# KiCad board BMS-Master.kicad_pcb (continued)
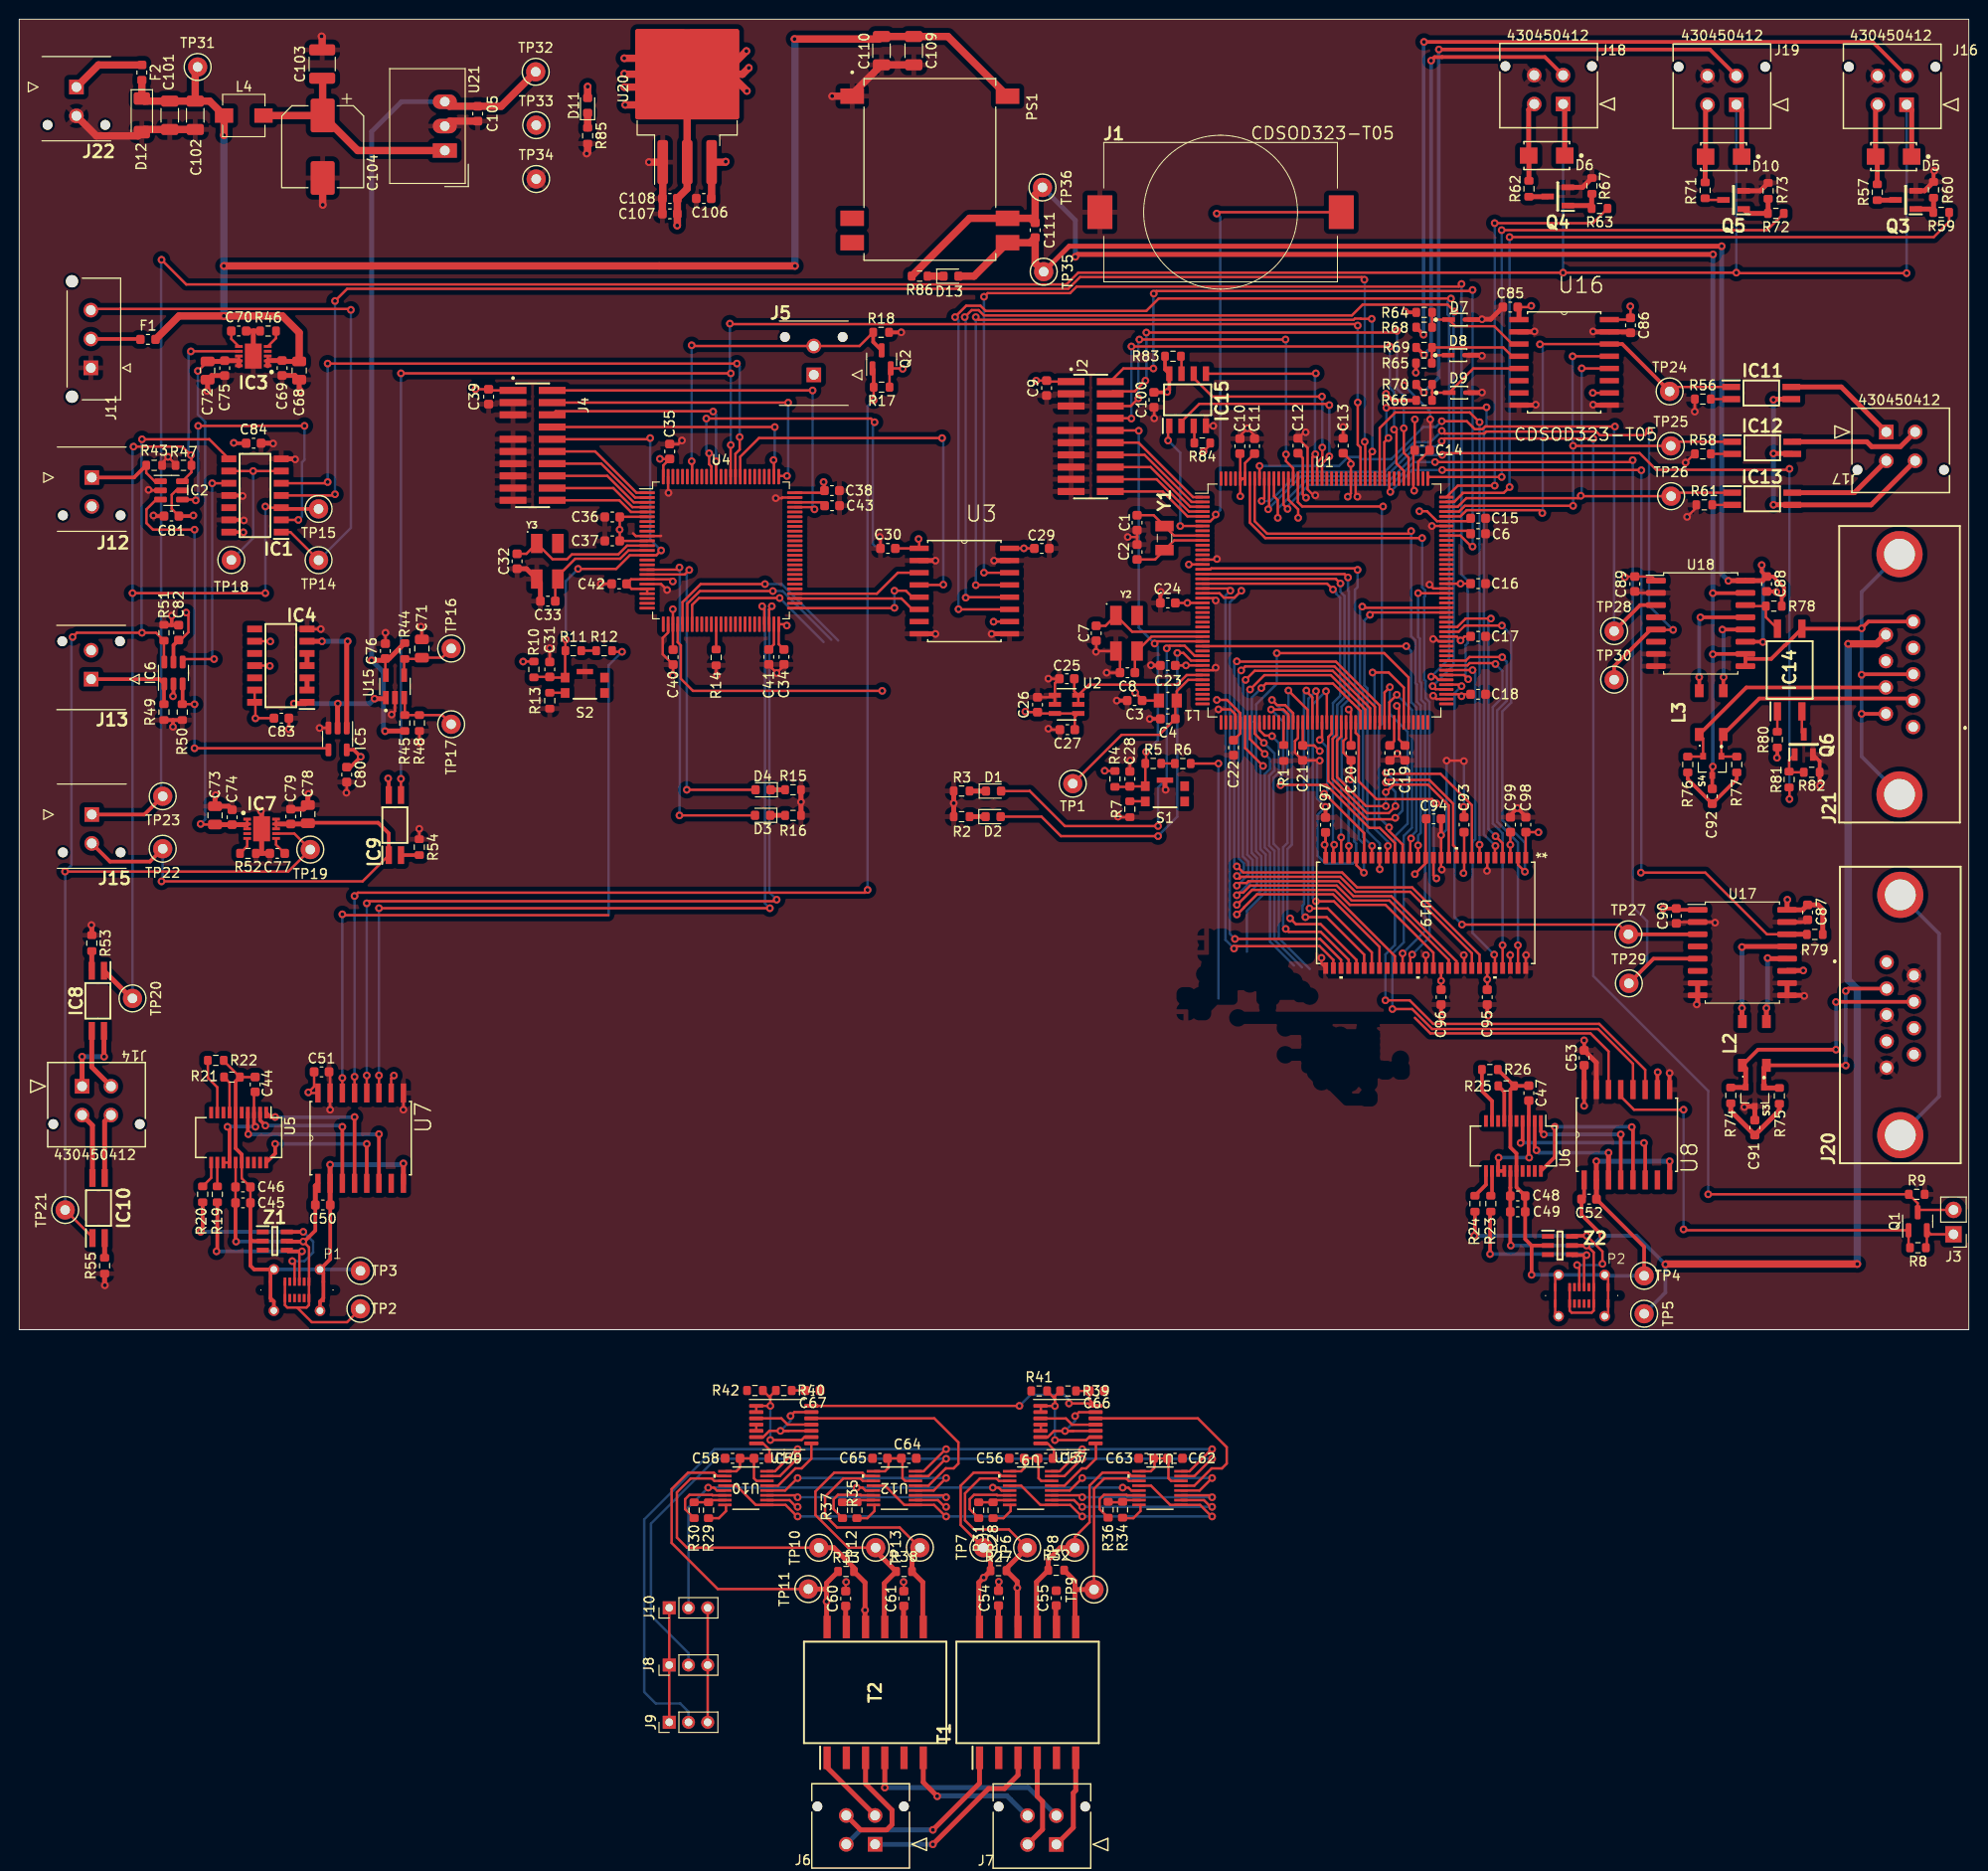
[diagram p0: board, top side]
## Routing (per net, layer and track width the routed paths; a pad name or vN(x,y) marks a point on that pad's centre or on a via; arc(x,y) is an arc through that point) (continued)
/MCU1_secondary/FTDI_MCU1.DTR: length 128.6
  Top w0.254: v1(88.2,45.73) 87.91,45.44 35.21,45.44 v1(34.86,45.1) ; v1(88.84,96.66) R17.2 ; U7.13 v1(34.86,26.3)
  Top w0.381: R17.2 88.84,99.85 Q2.1
  Bottom w0.254: v1(88.2,45.73) 88.2,96.02 v1(88.84,96.66) ; v1(34.86,26.3) v1(34.86,45.1)
/MCU1_secondary/FTDI_MCU1.RTS: length 75.4
  Top w0.254: v1(33.59,43.19) 33.68,43.1 61.24,43.1 ; U7.14 v1(33.59,26.17) ; R12.2 61.75,70.5 v1(62.68,70.5)
  Bottom w0.254: 61.28,43.07 61.28,69.1 v1(62.68,70.5) ; v1(33.59,26.17) v1(33.59,43.19)
/MCU1_secondary/FTDI_MCU1.RX: length 95.4
  Top w0.254: v1(36.13,44.34) 36.35,44.55 78.59,44.55 v1(78.75,44.72) ; U7.12 v1(36.13,26.43) ; v1(78.24,75.23) 78.26,75.21 77.96,74.92 U4.48
  Bottom w0.254: v1(36.13,26.43) v1(36.13,44.34) ; v1(78.24,75.23) 77.99,74.98 77.99,45.48 v1(78.75,44.72)
/MCU1_secondary/FTDI_MCU1.TX: length 93.5
  Top w0.254: U4.47 77.46,75.01 v1(77.24,75.23) ; U7.11 v1(37.4,26.43) ; v1(37.4,43.83) v1(78.04,43.83)
  Bottom w0.254: v1(78.04,43.83) 77.53,44.34 77.53,74.94 v1(77.24,75.23) ; v1(37.4,26.43) v1(37.4,43.83)
/MCU1_secondary/isoSPI1.CS: length 27.9
  Top w0.254: U4.29 68.46,71.49 68.79,71.17 68.79,67.69 70.04,66.43 v1(89.73,66.43) ; U14.4 U14.5
/MCU1_secondary/isoSPI1.DIR: length 37
  Top w0.254: v1(71.44,94.75) 88.55,94.75 v1(88.93,94.37) ; U4.90 71.96,89.77 71.73,90.01 v1(71.73,91.14)
  Bottom w0.254: v1(71.44,94.75) 71.44,91.43 v1(71.73,91.14) ; v1(88.93,94.37) 88.75,94.19 88.75,81.71 88.97,81.49
/MCU1_secondary/isoSPI1.MISO: length 41.7
  Top w0.254: v1(80.93,-17.43) 80.73,-17.23 U10.3 ; U4.31 69.46,75.51 70.76,76.81 v1(78.35,76.81) ; v1(96.37,-17.43) 96.17,-17.23 93.18,-17.23
  Bottom w0.254: v1(80.93,-17.43) v1(96.37,-17.43) ; v1(78.35,76.81) 79.36,76.81 84.43,71.75
/MCU1_secondary/isoSPI1.MOSI: length 24.8
  Top w0.254: U10.2 80.08,-17.73 80.78,-18.43 v1(80.93,-18.43) ; 93.18,-17.73 95.52,-17.73 96.22,-18.43 v1(96.37,-18.43) ; U4.32 69.96,75.37 70.68,76.09 v1(79.06,76.09)
  Bottom w0.254: 83.63,71.51 v1(79.06,76.09)
/MCU1_secondary/isoSPI1.SCK: length 44.6
  Top w0.254: U4.30 68.96,75.66 70.85,77.54 v1(77.53,77.54) ; v1(80.93,-15.43) 79.63,-16.73 U10.4 ; 93.18,-16.73 95.07,-16.73 v1(96.37,-15.43)
  Bottom w0.254: v1(80.93,-15.43) v1(96.37,-15.43) ; v1(77.53,77.54) 79.28,77.54 85.16,71.66
/MCU1_secondary/MCU1_BOOT: length 35.4
  Top w0.254: R18.1 87.36,102.3 J5.2 69.99,102.3 v1(69.92,102.38) ; v1(69.92,90.31) 69.96,90.26 U4.94
  Top w0.381: Q2.3 88.79,102.72 R18.1
  Bottom w0.254: v1(69.92,102.38) v1(69.92,90.31)
/MCU1_secondary/MCU1_NRST: length 47
  Top w0.254: J4.10 65.48,92.6 v1(65.6,92.72) ; v1(58.11,79.12) 62.07,79.12 63.48,80.54 66.24,80.54 v1(66.74,81.04) ; v1(56.83,71.77) 56.78,71.72 R11.1 56.76,70.59 56.76,67.81 55.23,67.81 C31.1 53.56,67.89 R10.2
  Bottom w0.254: v1(56.83,71.77) 56.83,77.85 v1(58.11,79.12) ; v1(65.6,92.72) 65.6,82.18 v1(66.74,81.04)
/MCU1_secondary/MCU1_SWCLK: length 33.1
  Top w0.254: v1(79.82,88.79) 79.03,88.79 U4.76 ; v1(79.95,96.41) 79.94,96.41 J4.04
  Bottom w0.254: v1(79.82,88.79) 79.95,88.91 v1(79.95,96.41)
/MCU1_secondary/MCU1_SWDIO: length 41.7
  Top w0.254: v1(82.68,85.31) 82.46,85.54 U4.72 ; J4.02 82.48,97.68
  Top w0.381: 82.48,97.68 v1(82.49,97.68)
  Bottom w0.254: v1(82.49,97.68) 82.49,85.51
  Bottom w0.381: 82.49,85.51 v1(82.68,85.31)
/MCU1_secondary/MCU1_SWO: length 23.8
  Top w0.254: v1(72.15,95.48) 72.11,95.52 55.78,95.52 J4.06 ; U4.89 72.46,88.72 v1(72.46,90.31)
  Bottom w0.254: v1(72.15,95.48) 72.46,95.17 v1(72.46,90.31)
/MCU1_secondary/MCU1_TDI: length 28.4
  Top w0.254: v1(78.42,90.44) 78.46,90.4 U4.77 ; v1(78.55,93.87) 78.54,93.87 J4.08
  Bottom w0.254: v1(78.42,90.44) 78.55,90.56 v1(78.55,93.87)
/MCU1_secondary/MCU1_TRACECLK: length 11.7
  Top w0.254: 65.29,87.04 64.18,87.04 59.88,91.33 J4.12
/MCU1_secondary/MCU1_TRACED0: length 11.3
  Top w0.254: J4.14 60.51,90.06 64.03,86.54 65.29,86.54
/MCU1_secondary/MCU1_TRACED1: length 11
  Top w0.254: J4.16 61.14,88.79 63.89,86.04 65.29,86.04
/MCU1_secondary/MCU1_TRACED2: length 10.7
  Top w0.254: J4.18 61.77,87.52 63.75,85.54 65.29,85.54
/MCU1_secondary/MCU1_TRACED3: length 10.4
  Top w0.254: 65.29,85.04 63.61,85.04 62.39,86.25 J4.20
/MCU1_secondary/MCU_to_MCU_INTERFACE_MCU1.CS: length 15
  Top w0.254: U3.5 92.86,76.18 92.19,76.85 v1(91,76.85) ; U4.51 90.97,75.04 v1(91,75.07)
  Bottom w0.254: v1(91,75.07) v1(91,76.85)
/MCU1_secondary/MCU_to_MCU_INTERFACE_MCU1.MISO: length 13.4
  Top w0.254: U3.6 92.86,74.91 91.73,76.04 U4.53
/MCU1_secondary/MCU_to_MCU_INTERFACE_MCU1.MOSI: length 13.8
  Top w0.254: U4.54 89.16,76.54 91.34,78.72 U3.3
/MCU1_secondary/MCU_to_MCU_INTERFACE_MCU1.SCK: length 41.7
  Top w0.254: v1(96.08,77.48) 96.04,77.45 U3.4 ; v1(95.95,92.72) 76.9,92.72 74.96,90.78 U4.84
  Bottom w0.254: v1(96.08,77.48) 96.08,92.6 v1(95.95,92.72)
/MCU1_secondary/SHUTDOWN_ctrl_MCU0: length 71.8
  Top w0.254: v1(32.07,100.47) v1(74.61,100.47) ; v1(74.91,92.83) 74.91,91.53 74.46,91.08 U4.85 ; IC1.5 31.94,88.02 v1(32.07,88.15)
  Bottom w0.254: v1(74.91,92.83) 74.91,100.18 v1(74.61,100.47) ; v1(32.07,88.15) v1(32.07,100.47)
/Shutdown/AMS_SHTDW: length 115.5
  Top w0.254: 16.96,88.23 17.9,89.17 R47.2 17.9,90.89 v1(17.85,90.94) 16.96,91.83 v1(11.88,91.83) ; IC3.7 17.86,101.75 v1(17.85,101.74) ; v1(25.59,76.59) v1(11.78,76.59) ; IC1.3 25.72,85.48 v1(25.59,85.61)
  Top w0.381: IC1.3 27.37,85.36 TP15.1
  Top w0.508: IC8.1 11.69,34.45 TP20.1
  Bottom w0.254: v1(17.85,90.94) 17.61,91.19 17.61,101.5 v1(17.85,101.74) ; v1(25.59,85.61) v1(25.59,76.59) ; TP20.1 v1(11.78,76.59) 11.78,91.73 v1(11.88,91.83)
/Shutdown/Bender_OK_EXT: length 59.6
  Top w0.254: IC1.1 28.2,82.94 TP14.1 ; v1(34.48,106.06) 34.39,106.15 7.57,106.15 J11.3
  Bottom w0.254: v1(34.48,106.06) 34.48,83.38 TP14.1
/Shutdown/IMD_SHTDW: length 137
  Top w0.254: IC10.1 7.61,9.61 TP21.1 ; IC7.7 28.6,51.59 TP19.1 27.97,47.64 v1(4.76,47.64) ; v1(5.55,72.03) 5.99,72.48 v1(12.77,72.48) 14.22,72.48 R51.2 15.05,69.47 IC6.6 ; IC1.8 19.76,92.6 v1(12.77,92.6)
  Bottom w0.254: v1(12.77,92.6) 12.72,92.55 12.72,72.53 v1(12.77,72.48) ; v1(5.55,72.03) 5.43,71.91 5.43,48.3 v1(4.76,47.64) 4.78,47.63 TP21.1
/USB_interface/D0+: length 24.5
  Top w0.254: v1(162.96,9.76) 162.97,9.76 164.61,8.13 v1(164.61,6.84) ; v1(161.97,6.72) 162.2,6.49 P2.A6
  Top w0.381: R24.1 151.35,9.84 v1(151.27,9.76) ; v1(162.96,9.76) 161.51,9.76 Z2.6
  Bottom w0.254: v1(161.97,6.72) 164.48,6.72 v1(164.61,6.84)
  Bottom w0.381: v1(151.27,9.76) v1(162.96,9.76)
/USB_interface/D0-: length 19.5
  Top w0.254: v1(162.96,7.75) 162.7,7.49 P2.A7
  Top w0.381: v1(152.92,7.86) 152.92,12.2 R23.1 ; 161.44,7.8 161.5,7.75 v1(162.96,7.75)
  Bottom w0.381: v1(162.96,7.75) 162.85,7.86 v1(152.92,7.86)
/USB_interface/D1+: length 22.9
  Top w0.254: v1(28.39,7.12) 28.62,6.89 P1.A6
  Top w0.381: v1(18.86,10.17) 19.07,10.38 R20.1 ; Z1.6 27.83,10.17 v1(29.53,10.17)
  Bottom w0.254: v1(29.53,10.17) 29.54,10.17 30.56,9.16 30.56,8.03 29.65,7.12 v1(28.39,7.12)
  Bottom w0.381: v1(18.86,10.17) v1(29.53,10.17)
/USB_interface/D1-: length 18.9
  Top w0.254: v1(29.4,8.14) 29.12,7.86 P1.A7
  Top w0.381: R19.1 20.59,8.22 v1(20.51,8.14) ; v1(29.4,8.14) 27.95,8.14 Z1.4
  Bottom w0.381: v1(20.51,8.14) v1(29.4,8.14)
/USB_interface/USB_MCU0.DTR: length 14.3
  Top w0.381: v1(158.51,20.3) 158.21,20.61 U6.1 ; U8.4 v1(166.51,20.3)
  Bottom w0.381: v1(166.51,20.3) v1(158.51,20.3)
/USB_interface/USB_MCU0.RTS: length 13.6
  Top w0.381: U6.2 157.57,18.83 v1(157.75,18.65)
  Top w0.508: U8.3 v1(165.24,18.4)
  Bottom w0.381: v1(165.24,18.4) 158,18.4 v1(157.75,18.65)
/USB_interface/USB_MCU0.RX: length 19.1
  Top w0.381: U8.6 169.05,19.29 v1(168.93,19.42) ; U6.4 156.3,19.62 v1(156.1,19.42)
  Bottom w0.381: v1(168.93,19.42) 168.9,19.44 156.13,19.44 v1(156.1,19.42)
/USB_interface/USB_MCU0.TX: length 18.8
  Top w0.381: v1(159.65,21.09) 159.65,17.95 U6.20 ; v1(167.66,21.07) 167.78,20.94 U8.5
  Bottom w0.381: v1(159.65,21.09) 167.63,21.09 v1(167.66,21.07)
/USB_interface/USB_MCU1.DTR: length 16.3
  Top w0.381: U5.1 26.14,22.11 v1(26.61,22.11) ; v1(34.86,22.11) U7.4
  Bottom w0.381: v1(34.86,22.11) 34.83,22.08 26.64,22.08 v1(26.61,22.11)
/USB_interface/USB_MCU1.RTS: length 15.5
  Top w0.381: v1(33.59,21.09) U7.3 ; U5.2 25.04,21.77 v1(25.59,21.22)
  Bottom w0.381: v1(25.59,21.22) 33.47,21.22 v1(33.59,21.09)
/USB_interface/USB_MCU1.RX: length 21
  Top w0.381: v1(23.81,20.33) 23.77,20.38 U5.4 ; v1(37.4,20.33) U7.6
  Bottom w0.381: v1(23.81,20.33) 23.84,20.3 37.37,20.3 v1(37.4,20.33)
/USB_interface/USB_MCU1.TX: length 16
  Top w0.381: U5.20 26.61,18.31 v1(26.61,19.32) ; U7.5 v1(36.13,19.32)
  Bottom w0.381: v1(36.13,19.32) v1(26.61,19.32)
SUPPLY: length 167.5
  Top w0.254: IC3.3 IC3.2
  Top w0.508: IC3.1 IC3.2 25.87,100.79 27.33,100.79 27.42,100.7 C68.1
  Top w0.762: F1.2 16.61,105.42 v1(21.27,105.42) 27.37,105.42 29.11,103.69 C68.1 ; v1(21.27,110.63) v1(80.66,110.63) ; 18.3,127.77 19.8,127.77 L4.1 21.3,124.24 v1(21.27,124.22) ; 18.3,127.77 13.02,127.77 D12.1 F2.2 ; 18.3,127.77 18.3,131.07 TP31.1 ; PS1.14 96.55,134.49 C109.1 C110.1 89.39,134.23 v1(80.61,134.23)
  Bottom w0.762: v1(21.27,124.22) v1(21.27,105.42) ; v1(80.66,110.63) 80.66,134.18 v1(80.61,134.23)
USB0_GND: length 70.8
  Top w0.254: P2.S1 159.7,1.74 P2.B12 P2.A1 159.7,5.34 P2.S1 ; 157.24,8.75 157.24,8.75 ; P2.S1 165.2,1.74 P2.B1 P2.A12 165.2,5.34 P2.S1
  Top w0.381: 157.24,8.75 Z2.2 ; C52.1 168.94,8.62 TP4.1 ; R25.2 155.03,24.96 U6.6 155.03,18.96 155.67,18.32 U6.16 155.67,14.81 C48.2 C49.2 156.58,9.41 157.24,8.75 v1(157.24,5.7) ; R25.2 R26.2 ; R25.2 156.93,25.35 C47.2
  Top w0.508: C52.1 163.99,15.55 U8.2 v1(163.97,17.51) ; v1(171.59,17.51) U8.8
  Bottom w0.381: v1(157.24,5.7) 160.04,5.7 P2.S1 P2.S1 164.94,5.6 TP4.1
  Bottom w0.508: v1(163.97,17.51) v1(171.59,17.51)
USB1_GND: length 67.8
  Top w0.254: C45.2 C46.2 23.13,15.74 U5.16 ; C44.2 24.52,26.26 R21.2 21.26,27.95 R22.2
  Top w0.381: C45.2 24.04,9.41 ; 24.04,9.41 24.23,9.21 Z1.2 ; 24.04,9.41 24.04,6.65 24.42,6.26 P1.S1 26.12,5.91 P1.A1 P1.B12 26.47,2.93 P1.S1 ; U5.16 23.13,18.22 22.5,18.85 U5.6 22.5,25.82 R21.2 ; C50.1 32.34,7.33 P1.S1 31.62,5.91 P1.A12 P1.B1 31.27,2.93 P1.S1
  Top w0.508: C50.1 32.32,12.98 U7.2 v1(32.32,17.16) ; v1(39.94,17.28) U7.8
  Bottom w0.381: P1.S1 P1.S1 35.32,6.26 TP3.1
  Bottom w0.508: v1(32.32,17.16) 39.82,17.16 v1(39.94,17.28)
USB1_VCC: length 43.5
  Top w0.254: P1.A4 P1.B9 27.62,2.55 27.87,2.3 28.89,2.3 ; C45.1 C46.1 22.5,14.85 U5.15 ; TP2.1 34.08,0.77 30.42,0.77 28.89,2.3 ; v1(29.53,9.16) 30.13,8.56 30.13,5 P1.A9 P1.B4 30.12,2.55 29.87,2.3 28.89,2.3
  Top w0.381: C45.1 22.49,9.22 v1(22.54,9.16) ; Z1.5 27.88,9.16 v1(29.53,9.16) 29.63,9.16 30.79,10.31 C50.2
  Top w0.508: C50.2 30.79,14.95 U7.1
  Bottom w0.381: v1(22.54,9.16) v1(29.53,9.16)
USB_VCC: length 141.3
  Top w0.254: v1(162.96,8.75) 162.99,8.75 163.7,8.03 P2.A9 P2.B4 163.7,1.98 163.48,1.76 161.41,1.76 161.2,1.98 P2.B9 P2.A4
  Top w0.381: v1(155.08,8.75) 155.03,8.8 C49.1 155.03,14.76 155.03,14.77 U6.15 ; v1(164.61,9.76) 162.44,11.94 C52.2 162.7,13.84 U8.1 ; v1(162.96,8.75) 161.45,8.75 Z2.5
  Top w0.762: v1(190.16,71.33) 193.13,71.33 J21.9 ; v1(171.16,6.78) 171.21,6.83 v1(191.11,6.83)
  Bottom w0.381: v1(155.08,8.75) v1(162.96,8.75) 163.59,8.75 v1(164.61,9.76) 168.17,9.76 v1(171.16,6.78) 171.16,3.86 TP5.1
  Bottom w0.762: v1(190.16,71.33) 190.16,36.36 191.11,35.41 v1(191.11,6.83)
Net-(C71-Pad1): length 7
  Top w0.254: U15.4 40.02,69.69 R44.2 41.73,69.76 C71.1 43.96,69.88 TP16.1
Net-(C91-Pad1): length 8.6
  Top w0.508: R75.2 183,22.79 C91.1 177.95,22.74 177.95,23.54
Net-(C92-Pad1): length 8.6
  Top w0.381: R77.2 178.57,57.25 C92.1 173.47,57.25 R76.2
Net-(D1-A): length 41
  Top w0.254: v1(118.41,52.38) 108.71,52.38 105.06,56.03 105.04,56.01 D1.2 ; U1.34 122.21,70.08 121.16,71.13 119.58,71.13 v1(119.31,70.86)
  Bottom w0.254: v1(118.41,52.38) 118.41,56.39 119.31,57.29 v1(119.31,70.86)
Net-(D1-K): length 1.7
  Top w0.508: R3.1 98.82,56.01 D1.1
Net-(D2-A): length 40
  Top w0.254: U1.35 121.83,69.58 121.04,70.38 v1(120.41,70.38) ; D2.2 106.28,53.35 108.31,51.33 v1(118.41,51.33)
  Bottom w0.254: v1(118.41,51.33) 118.41,51.35 120.41,53.35 v1(120.41,70.38)
Net-(D2-K): length 1.7
  Top w0.508: D2.1 R2.1
Net-(D3-A): length 37.1
  Top w0.254: v1(68.65,79.27) 68.42,79.04 65.29,79.04 ; v1(68.65,53.48) 76.49,53.48 D3.2
  Bottom w0.254: v1(68.65,53.48) 68.65,56.41 68.68,56.45 68.68,79.23 v1(68.65,79.27)
Net-(D3-K): length 1.6
  Top w0.508: D3.1 79.62,53.49 R16.1
Net-(D4-A): length 34.7
  Top w0.254: v1(69.66,79.01) 69.19,78.54 65.29,78.54 ; D4.2 v1(69.41,56.15)
  Bottom w0.254: v1(69.41,56.15) 69.41,78.75 v1(69.66,79.01)
Net-(D4-K): length 1.5
  Top w0.508: R15.1 D4.1
Net-(D11-K): length 1.5
  Top w0.762: R85.1 D11.1
Net-(D13-K): length 1.7
  Top w0.762: D13.1 R86.1
Net-(F1-Pad1): length 5.2
  Top w0.381: J11.2 12.55,103.03 F1.1
Net-(F2-Pad1): length 7.8
  Top w0.762: F2.1 8.24,131.53 J22.1
Net-(IC1-Pad2): length 32.1
  Top w0.254: v1(29.02,84.21) IC1.2 ; v1(18.35,86.25) 18.27,86.33 IC2.4 ; v1(18.61,93.99) v1(29.66,93.99)
  Bottom w0.254: v1(29.02,84.21) 29.4,84.59 29.4,90.2 29.66,90.45 v1(29.66,93.99) ; v1(18.35,86.25) 18.61,86.5 v1(18.61,93.99)
Net-(IC1-Pad6): length 15.6
  Top w0.254: IC1.6 IC1.9
  Bottom w0.254: TP18.1 24.32,82.31 v1(24.32,89.29)
Net-(IC1-Pad10): length 23.5
  Top w0.254: IC1.10 v1(20.06,88.02) ; IC6.4 17.29,69.74 v1(20.26,69.74)
  Bottom w0.254: v1(20.26,69.74) 20.06,69.93 v1(20.06,88.02)
Net-(IC2-Pad1): length 8.8
  Top w0.254: R43.2 13.2,89.1 14.07,88.23 14.69,88.23
  Top w0.381: R43.2 11.94,88.62 J12.1
Net-(IC2-Pad3): length 48.7
  Top w0.254: v1(18.23,60.47) 31.98,60.47 IC5.4 ; v1(18.23,65.04) 18.21,65.05 R50.2 ; IC2.3 14.25,86.33 13.23,85.31 13.23,83.88 13.91,83.2 v1(18.23,83.2)
  Top w0.381: IC6.3 16.98,65.08 R50.2
  Bottom w0.254: v1(18.23,60.47) v1(18.23,65.04) v1(18.23,83.2)
Net-(IC3-ILIM): length 2
  Top w0.254: R46.1 26.7,103.11 IC3.5
Net-(IC3-OUT_1): length 59.2
  Top w0.254: IC7.1 IC7.2 IC7.3 ; v1(18.86,52.59) 18.92,52.53 C73.1 ; IC3.8 IC3.9 ; C72.1 18.59,99.71 v1(18.57,99.71)
  Top w0.508: IC7.2 23.63,52.52 C74.1 20.37,52.52 C73.1 ; C72.1 21.28,100.7 21.36,100.77 22.81,100.77 IC3.9 IC3.10
  Bottom w0.254: v1(18.57,99.71) 18.57,95.17 19.33,94.41 19.33,53.06 v1(18.86,52.59)
Net-(IC3-SS): length 1.9
  Top w0.254: C70.1 22.05,103.04 IC3.6
Net-(IC4-Pad1): length 13.8
  Top w0.508: v1(36.94,65.62) 38,65.62 U15.1 ; v1(28.56,65.11) 29.79,65.11 IC4.1 ; v1(33.13,65.11) 33.1,65.08 IC5.2
  Bottom w0.508: v1(36.94,65.62) 36.43,65.11 v1(33.13,65.11) v1(28.56,65.11)
Net-(IC4-Pad2): length 1.3
  Top w0.508: IC4.2 IC4.3
Net-(IC4-Pad4): length 1.3
  Top w0.508: IC4.5 IC4.4
Net-(IC4-Pad6): length 13.3
  Top w0.508: IC5.1 34.05,71.49 v1(34.15,71.59) ; v1(31.48,71.59) 29.93,71.59 IC4.6
  Bottom w0.508: v1(34.15,71.59) v1(31.48,71.59)
Net-(IC6-Pad1): length 9.9
  Top w0.381: R49.2 15.05,67.12 IC6.1 14.59,67.65 J13.1
Net-(IC7-ILIM): length 1.9
  Top w0.254: R52.1 23.7,50.28 IC7.5
Net-(IC7-OUT_1): length 52.4
  Top w0.254: IC7.10 IC7.9 IC7.8 ; v1(14.8,46.62) 35.7,46.62 38.42,49.35 IC9.1
  Top w0.381: C78.1 30.06,52.72 37.31,52.72 38.42,51.61 IC9.1 ; J15.2 9.43,48.68 13.59,48.68 TP22.1
  Top w0.508: IC7.9 28.23,52.59 C79.1 29.93,52.58 C78.1
  Bottom w0.254: TP22.1 14.92,46.74 v1(14.8,46.62)
Net-(IC7-SS): length 1.9
  Top w0.254: IC7.6 26.7,50.43 C77.1
Net-(IC8-C): length 8.1
  Top w0.508: IC8.4 8.81,28.4 v1(8.82,28.39) ; J14.1 6.54,25.31 v1(6.54,28.39)
  Bottom w0.508: v1(8.82,28.39) v1(6.54,28.39)
Net-(IC8-E): length 6.6
  Top w0.508: IC8.3 7.54,27.31 J14.2
Net-(IC8-K): length 2.1
  Top w0.508: IC8.2 7.54,39.37 R53.2
Net-(IC9-K): length 1.9
  Top w0.381: 41.59,49.36 41.59,49.35 39.69,49.35 IC9.2
Net-(IC10-C): length 7
  Top w0.508: IC10.4 7.61,21.24 J14.3
Net-(IC10-E): length 6.8
  Top w0.508: IC10.3 8.88,21.66 J14.4
Net-(IC10-K): length 2.1
  Top w0.508: IC10.2 8.88,7.48 R55.2
Net-(IC11-C): length 11.8
  Top w0.508: IC11.4 189.44,98.04 J17.1
Net-(IC11-E): length 31.4
  Top w0.508: v1(182.39,85.79) 184.33,85.79 IC13.3 192.54,85.77 J17.4 ; IC12.3 184.3,91.12 v1(182.39,91.12) ; v1(182.39,96.71) 182.45,96.77 IC11.3
  Bottom w0.508: v1(182.39,85.79) v1(182.39,91.12) v1(182.39,96.71)
Net-(IC11-K): length 2.1
  Top w0.25: IC11.2 175.87,96.77 R56.2
Net-(IC12-C): length 13.6
  Top w0.508: J17.2 195.6,91.83 192.6,91.83 192.09,92.34 IC12.4
Net-(IC12-K): length 2.2
  Top w0.25: IC12.2 178.09,91.08 R58.2
Net-(IC13-C): length 11.1
  Top w0.508: IC13.4 190.81,87.04 J17.3
Net-(IC13-K): length 2.1
  Top w0.25: IC13.2 176.02,85.77 R61.2
Net-(IC14-A): length 2.1
  Top w0.254: R80.2 182.79,64.28 IC14.1
Net-(IC14-D2): length 5
  Top w0.254: IC14.4 181.6,74.1 R78.2 179.58,75.25 U18.14
Net-(IC14-K): length 2.5
  Top w0.254: IC14.2 185.35,62.11 Q6.3
Net-(IC15-~{HOLD}): length 1.8
  Top w0.254: R83.2 120.78,100.91 120.84,100.85 IC15.7
Net-(IC15-~{W}): length 1.8
  Top w0.254: IC15.3 122.18,93.93 R84.2
Net-(J1-+): length 46.4
  Top w0.254: v1(124.41,84.78) 124.41,84.64 123.84,84.08 U1.6 ; v1(124.5,116.08) 124.65,116.22 J1.1
  Bottom w0.254: v1(124.5,116.08) 124.87,115.71 124.87,85.24 v1(124.41,84.78)
Net-(Q3-D): length 1.9
  Top w0.508: Q3.3 195.06,117.47 R57.2
Net-(Q3-G): length 3.5
  Top w0.508: R60.1 199.03,116.22 R59.2 198.66,116.54 Q3.1
Net-(Q4-D): length 2
  Top w0.508: R62.2 158.89,117.83 Q4.3
Net-(Q4-G): length 4.1
  Top w0.508: Q4.1 163.19,116.9 R63.2 163.49,118.1 R67.1
Net-(Q5-D): length 2
  Top w0.254: R71.2 175.46,117.49 Q5.3
Net-(Q5-G): length 4.2
  Top w0.508: Q5.1 179.74,116.09 R72.2 181.84,116.11 R73.1
Net-(Q6-G): length 3.6
  Top w0.254: Q6.1 184.01,59.24 R81.1 184.09,57.96 R82.1
Net-(R5-Pad2): length 1.4
  Top w0.254: R6.1 120.14,58.88 R5.2
Net-(R7-Pad1): length 1.6
  Top w0.254: S1.2 117.05,54.95 R7.1
Net-(R11-Pad2): length 1.6
  Top w0.254: R12.1 R11.2
Net-(R13-Pad1): length 1.6
  Top w0.254: S2.2 56.73,66.24 R13.1
Net-(R39-Pad2): length 13.7
  Top w0.254: R39.2 107.68,-6.92 v1(107.68,-7.94) ; v1(107.68,-7.94) 106.22,-7.94 106.22,-8.59 ; v1(107.68,-7.94) 107.68,-7.19 R41.2 ; v1(107.68,-11.49) 110.93,-11.49 111.23,-11.19 111.94,-11.19
  Bottom w0.254: v1(107.68,-11.49) v1(107.68,-7.94)
Net-(R40-Pad2): length 13
  Top w0.254: 78.09,-7.1 v1(78.09,-7.93) U14.1 U14.2 ; 78.09,-7.1 R42.2 ; 78.09,-7.1 78.09,-6.9 R40.2 ; v1(78.09,-11.48) 81.34,-11.48 81.64,-11.18 U14.9
  Bottom w0.254: v1(78.09,-11.48) v1(78.09,-7.93)
Net-(R45-Pad2): length 7.1
  Top w0.254: U15.3 40.08,65.67 R45.2 R48.1 43.98,63.91 44.91,62.98 TP17.1
Net-(T1-PRI_1): length 19.1
  Top w0.508: T1.1 99.84,-47.18 v1(94.99,-52.03)
  Bottom w0.508: J6.2 87.48,-52.03 v1(94.99,-52.03)
Net-(T1-PRI_3): length 19.6
  Top w0.508: T1.3 103.84,-46.33 102.44,-47.73 100.79,-47.73 v1(94.99,-53.53)
  Bottom w0.508: v1(94.99,-53.53) J6.1
Net-(T1-PRI_4): length 9.9
  Top w0.508: J7.2 106.39,-51.98 106.39,-49.08 105.84,-48.53 T1.4
Net-(T1-PRI_6): length 9.8
  Top w0.508: T1.6 109.84,-47.93 109.59,-48.18 109.59,-51.78 J7.1
Net-(T1-SEC_2): length 2.3
  Top w0.508: C55.2 107.77,-28.75 107.77,-30.97
Net-(T1-SEC_5): length 2.2
  Top w0.508: C54.2 101.82,-30.92
Net-(T2-PRI_1): length 8.1
  Top w0.508: J6.3 88.98,-50.52 83.99,-45.53 T2.1
Net-(T2-PRI_3): length 13.7
  Top w0.508: T2.3 87.99,-47.23 90.74,-49.98 90.74,-51.48 90.19,-52.03 87.48,-52.03 J6.4
Net-(T2-PRI_4): length 22.1
  Top w0.508: v1(89.99,-47.63) T2.4
  Bottom w0.508: J7.3 104.92,-47.63 v1(89.99,-47.63)
Net-(T2-PRI_6): length 14.9
  Top w0.508: v1(95.44,-48.53) 93.99,-47.08 T2.6
  Bottom w0.508: v1(95.44,-48.53) 95.49,-48.48 102.69,-48.48 104.76,-50.54 J7.4
Net-(T2-SEC_2): length 2.3
  Top w0.508: 91.94,-30.99 91.94,-28.77 C61.2
Net-(T2-SEC_5): length 2.2
  Top w0.508: C60.2 85.93,-30.97
Net-(U1-PB2): length 2.4
  Top w0.254: U1.58 131.45,60.82 R1.2
Net-(U1-PC14): length 7.7
  Top w0.254: U1.9 120.07,82.58 Y1.1 117.95,84.7 C1.1
Net-(U1-PC15): length 7.6
  Top w0.254: C2.1 118.1,80.1 Y1.2 120.08,82.08 U1.10
Net-(U1-PH0): length 12.2
  Top w0.254: C7.1 112.95,73.2 Y2.1 115.72,72.58 U1.29
Net-(U1-PH1): length 9.8
  Top w0.254: U1.30 117.73,72.08 Y2.3 116,70.35 C8.1
Net-(U1-VCAP_1): length 2.6
  Top w0.254: C5.1 142.95,61.2 U1.81
Net-(U1-VCAP_2): length 2.7
  Top w0.254: C6.1 150.6,83.08 U1.125
Net-(U1-VDDA): length 19.6
  Top w0.254: TP1.1 114.62,61.86 118.53,61.86 C4.1 120.2,65.27 L1.1 120.35,66.4 121.53,67.58 U1.39
Net-(U4-PB2): length 2.6
  Top w0.254: R14.1 72.46,70.74 U4.37
Net-(U4-PH0): length 15.2
  Top w0.254: 65.29,81.54 63.2,81.54 62.29,80.63 57.46,80.63 56.96,80.13 55.45,80.13 Y3.1 52.73,80.69 C32.1
Net-(U4-PH1): length 13.1
  Top w0.254: C33.1 55.73,77.79 Y3.3 56.01,78.38 57.8,80.17 62.48,80.17 63.34,81.04 65.29,81.04
Net-(U4-VCAP_1): length 2.8
  Top w0.254: U4.49 78.46,71.27 C41.1
Net-(U4-VCAP_2): length 3.2
  Top w0.254: C43.1 83.39,86.04 U4.73
Net-(U5-3V3OUT): length 11.1
  Top w0.254: U5.13 U5.14 ; U5.3 24.4,24.6 C44.1
  Top w0.381: v1(21.66,21.09) 21.86,20.89 U5.14 ; v1(24.56,21.1) 24.4,21.26 U5.3
  Bottom w0.381: v1(21.66,21.09) 21.68,21.12 24.54,21.12 v1(24.56,21.1)
Net-(U5-USBDM): length 2.5
  Top w0.254: R19.2 U5.12
Net-(U5-USBDP): length 2.8
  Top w0.254: U5.11 19.96,15.79 R20.2
Net-(U5-~{CTS}): length 5.8
  Top w0.254: U5.9 20.59,25.2 19.61,26.19 R22.1
Net-(U5-~{DSR}): length 3.9
  Top w0.254: U5.7 21.86,25.69 R21.1
Net-(U6-3V3OUT): length 11.2
  Top w0.381: U6.14 U6.13 153.76,17.84 v1(153.81,17.89) ; v1(156.99,17.89) 156.94,17.94 U6.3 156.95,21.71 C47.1
  Bottom w0.381: v1(153.81,17.89) v1(156.99,17.89)
Net-(U6-USBDM): length 2.6
  Top w0.381: R23.2 153.13,14.05 U6.12
Net-(U6-USBDP): length 3
  Top w0.381: R24.2 152.49,15.07 U6.11
Net-(U6-~{CTS}): length 5.8
  Top w0.381: R26.1 152.08,24.83 153.13,23.77 U6.9
Net-(U6-~{DSR}): length 3.9
  Top w0.381: U6.7 154.4,24.73 R25.1
Net-(U9-IBIAS): length 2.7
  Top w0.254: 103.07,-18.23 103.07,-18.87 102.33,-19.61 101.36,-19.61
Net-(U9-ICMP): length 3.3
  Top w0.254: 103.07,-17.73 101.58,-17.73 101.36,-17.96 99.86,-17.96
Net-(U9-VDD): length 7.7
  Top w0.254: 103.07,-14.73 104.16,-14.73 104.53,-14.36 104.53,-13.38 105.98,-13.38 105.98,-15.46 106.26,-15.73 107.44,-15.73
Net-(U10-IBIAS): length 2.7
  Top w0.254: 71.77,-19.61 72.74,-19.61 73.48,-18.87 73.48,-18.23
Net-(U10-ICMP): length 3.3
  Top w0.254: 70.27,-17.96 71.77,-17.96 71.99,-17.73 73.48,-17.73
Net-(U10-VDD): length 7.7
  Top w0.254: 73.48,-14.73 74.57,-14.73 74.94,-14.36 C58.1 C59.1 76.39,-15.46 76.67,-15.73 77.85,-15.73
Net-(U11-IBIAS): length 2.7
  Top w0.254: 114.86,-19.61 115.83,-19.61 116.57,-18.87 116.57,-18.23
Net-(U11-ICMP): length 3.3
  Top w0.254: 116.57,-17.73 115.08,-17.73 114.86,-17.96 113.36,-17.96
Net-(U11-VDD): length 7.7
  Top w0.254: 120.94,-15.73 119.76,-15.73 119.48,-15.46 119.48,-13.38 118.03,-13.38 118.03,-14.36 117.66,-14.73 116.57,-14.73
Net-(U12-IBIAS): length 2.7
  Top w0.254: 87.21,-19.61 88.18,-19.61 88.92,-18.87 88.92,-18.23
Net-(U12-ICMP): length 3.3
  Top w0.254: 85.71,-17.96 87.21,-17.96 87.43,-17.73 88.92,-17.73
Net-(U12-VDD): length 7.7
  Top w0.254: 93.29,-15.73 92.11,-15.73 91.83,-15.46 91.83,-13.38 90.38,-13.38 90.38,-14.36 90.01,-14.73 88.92,-14.73
Net-(U13-Pad10): length 11.2
  Top w0.254: 111.94,-8.59 110.18,-8.59 v1(109.78,-8.99) ; 109.58,-10.54 111.94,-10.54 ; 109.58,-10.54 107.58,-10.54 106.93,-11.19 106.22,-11.19 ; 109.58,-10.54 v1(108.73,-10.54)
  Bottom w0.254: v1(108.73,-10.54) 109.78,-9.49 v1(109.78,-8.99)
Net-(U13-Pad11): length 6
  Top w0.254: 111.94,-9.89 109.48,-9.89 108.83,-9.24 106.22,-9.24
Net-(U14-Pad10): length 11.2
  Top w0.254: U14.13 80.59,-8.58 v1(80.19,-8.98) ; v1(79.14,-10.53) 79.99,-10.53 ; 79.99,-10.53 77.99,-10.53 77.34,-11.18 U14.6 ; 79.99,-10.53 U14.10
  Bottom w0.254: v1(80.19,-8.98) 80.19,-9.48 v1(79.14,-10.53)
Net-(U14-Pad11): length 6
  Top w0.254: U14.11 79.89,-9.88 79.24,-9.23 U14.3
Net-(U16-VIA): length 11.7
  Top w0.25: 146.9,105.08 146.9,105.79 R64.2 ; 146.9,105.08 146.93,105.05 D7.1 ; 146.9,105.08 R68.2
  Top w0.254: D7.1 149.31,104.36 153.36,104.36 155.22,102.5 U16.3
Net-(U16-VIB): length 12.8
  Top w0.254: 146.87,101.27 146.94,101.35 D8.1 ; 146.87,101.27 R65.2 ; 146.87,101.27 146.87,102.13 R69.2 154.3,102.15 155.22,101.23 U16.4
Net-(U16-VIC): length 11.7
  Top w0.254: 146.89,97.46 146.91,97.45 D9.1 151.18,99.96 U16.5 ; 146.89,97.46 R66.2 ; 146.89,97.46 R70.2
Net-(U17-CANH): length 12.5
  Top w0.508: v1(179.11,33.44) 179.11,32.08 L2.4 ; v1(179.11,39.79) 179.17,39.85 U17.13
  Bottom w0.508: v1(179.11,39.79) v1(179.11,33.44)
Net-(U17-CANL): length 8.7
  Top w0.508: L2.3 181.65,32.04 v1(181.65,33.44) ; v1(181.78,38.64) 181.84,38.58 U17.12
  Bottom w0.508: v1(181.65,33.44) 181.78,33.56 v1(181.78,38.64)
Net-(U18-CANH): length 12.4
  Top w0.381: v1(174.67,67.85) 174.68,67.85 L3.4 ; v1(174.79,74.08) 179.47,74.08 179.48,74.08
  Bottom w0.381: v1(174.67,67.85) 174.67,73.95 v1(174.79,74.08)
Net-(U18-CANL): length 8.8
  Top w0.381: v1(177.21,67.85) 177.18,67.82 L3.3 ; U18.12 179.47,72.81 v1(177.08,72.81)
  Bottom w0.381: v1(177.08,72.81) 177.21,72.68 v1(177.21,67.85)
Net-(U21-Vin): length 24.3
  Top w0.762: U21.1 35.19,122.63 C104.1 ; C104.1 31.54,126.27 L4.2 ; C104.1 31.55,130.1 C103.1
unconnected-(J20-PAD-Pad0): length 28.3
  Bottom w0.381: J20.0 199.61,41.19 199.61,24.26 J20.0

## Copper pours and planes (outline as drawn; the poured copper is in the pictures)
+3.3V on In2.Cu: -0.44,136.66 202.63,136.28 203.26,-0.5 0.07,0.01
+5V on In1.Cu: -0.44,136.66 0.07,0.01 203.26,-0.5 202.63,136.28
GND on Top, Bottom: -0.44,136.66 202.63,136.28 203.26,-0.5 0.07,0.01
